# Altium PCB PCB-G-1.PcbDoc (part 2 of 2)
Units mil, origin at the board's own origin, x right, y up, seen from the top; angles counter-clockwise.
Board outline 4730 x 2580 mil, 2 copper layers (Top Layer, Bottom Layer); 90 components, 105 nets, 400 pads, 153 vias.
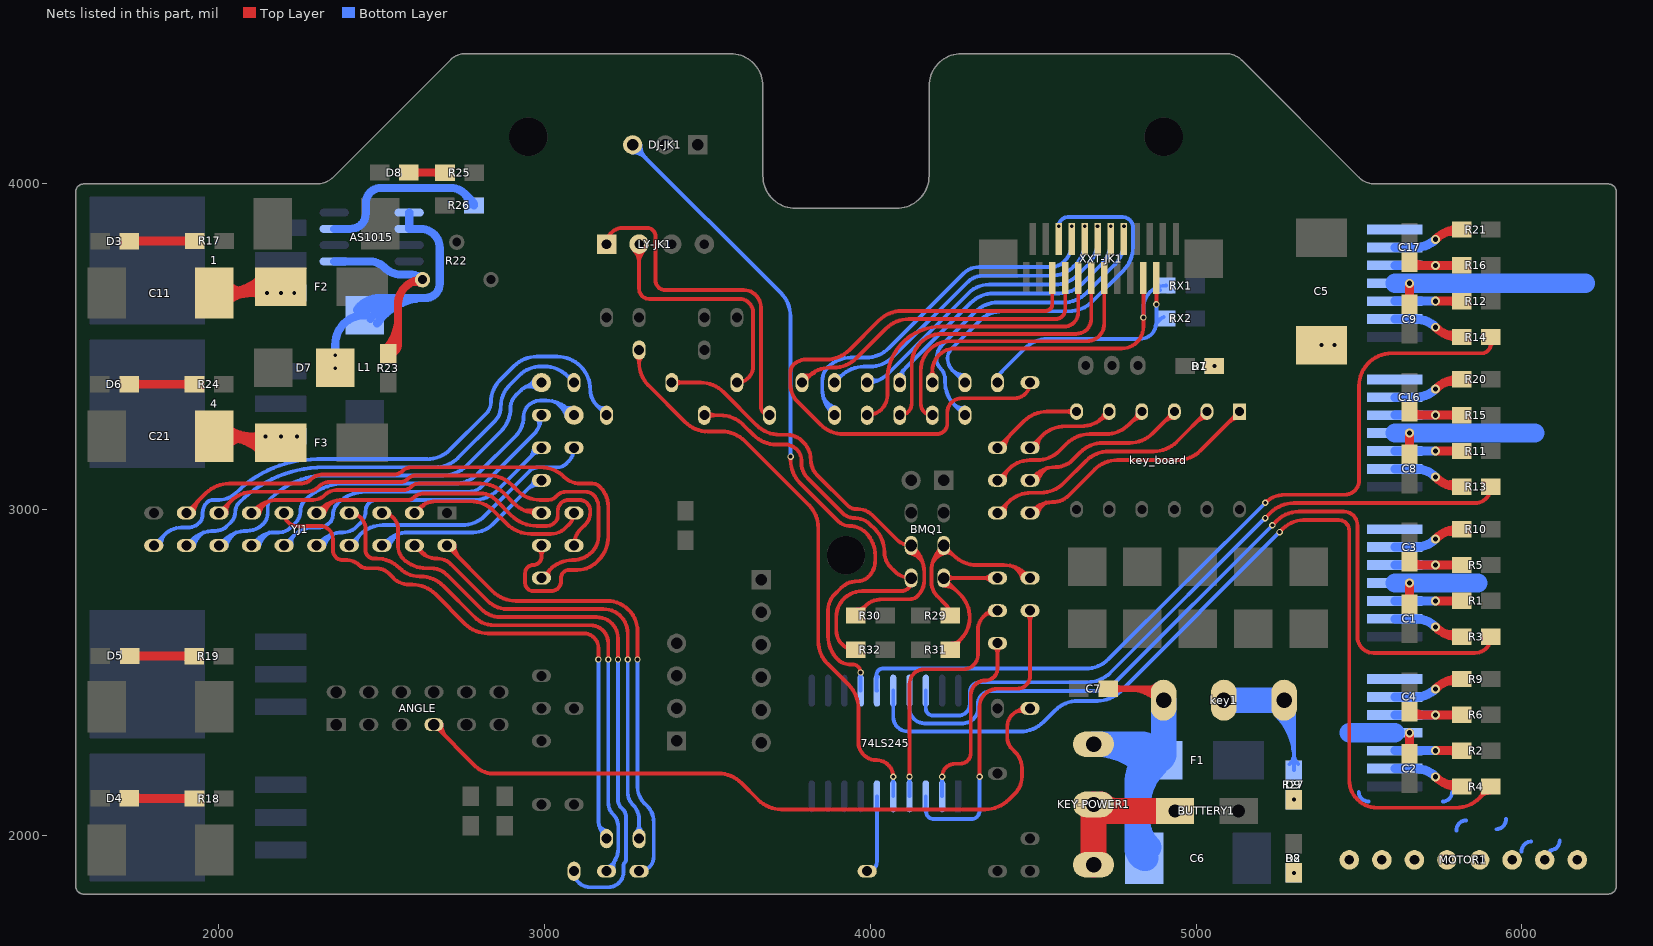
[diagram p2: the nets of this part, all layers, seen from the top]

## Via types
v1: diameter 19.68, hole 11.81, Top Layer to Bottom Layer, tented both sides, 128 vias
v2: diameter 27.56, hole 15.75, Top Layer to Bottom Layer, tented both sides, 20 vias
v3: diameter 50, hole 28, Top Layer to Bottom Layer, tented both sides, 3 vias
v4: diameter 27.56, hole 19.68, Top Layer to Bottom Layer, tented both sides, 1 vias
v5: diameter 39.37, hole 23.62, Top Layer to Bottom Layer, tented both sides, 1 vias

## Nets (pads, with @x,y where several pads share a name; then routed paths per layer and width w, separated by ;. In a path a pad name is that pad's centre, name@x,y a point inside that pad or via, vN(x,y) a via of type N, cw(c..) or ccw(c..) an arc to the next point about the centre after c; other vN are vias at no path point) (continued)
Net1_3: 1.3 C11.1 F2.1 | length 657.9
  Top Layer w25: C11.1@1985,3665 2141.72,3665 ccw(c2141.72,3733.28) F2.1@2190,3685 ; C11.1@2009.64,3665 ccw(c2009.64,3845.68) F2.1@2137.4,3717.92 ; C11.1@2017.92,3632.08 cw(c2097.39,3552.61) 2097.39,3665 cw(c2097.39,3777.39) C11.1@2017.92,3697.92 ; 2069.99,3665 ccw(c2069.99,3785.32) F2.1@2155.07,3700.24 ; 2106.21,3665 cw(c2106.21,3620.89) F2.1@2137.4,3652.08
  other v1: 2148,3665 2190,3665 2231,3665
Net4_3: 4.3 C21.1 F3.1 | length 682.7
  Top Layer w25: C21.1@1985,3225 2141.72,3225 cw(c2141.72,3156.72) F3.1@2190,3205 ; C21.1@2009.64,3225 cw(c2009.64,3044.32) F3.1@2137.4,3172.08 ; C21.1@2017.92,3192.08 cw(c2097.39,3112.61) 2097.39,3225 cw(c2097.39,3337.39) C21.1@2017.92,3257.92 ; 2069.99,3225 cw(c2069.99,3104.68) F3.1@2155.07,3189.76 ; 2106.21,3225 ccw(c2106.21,3269.11) F3.1@2137.4,3237.92 ; F3.1@2120.64,3230.02 cw(c2129.66,3204.05) F3.1@2144.43,3227.24
  other v1: 2143,3225 2190,3225 2240,3225
Net5_1: AS1015.1 R22.1 R23.2 | length 818.1
  Top Layer w25: R23.2@2511.16,3492.84 ccw(c2417.4,3586.6) 2550,3586.6 ; R23.2@2520,3479 ccw(c2520,3509) 2550,3509 2550,3631 cw(c2625,3631) R22.1@2625,3706 ; R23.2@2528.84,3475.16 ccw(c2477.75,3526.25) 2550,3526.25 ; R22.1@2615.37,3711.56 cw(c2592.11,3724.99) 2599.06,3699.05 cw(c2606.01,3673.11) R22.1@2619.44,3696.37
  Bottom Layer w25: AS1015.1@2354,3762 2463.54,3762 cw(c2463.54,3700.54) 2507,3744 ccw(c2560.11,3797.11) 2560.11,3722 2586.37,3722 cw(c2586.37,3667.37) R22.1@2625,3706 ; R22.1@2614.26,3703.12 ccw(c2588.32,3696.17) 2601.75,3719.43 ccw(c2615.17,3742.68) R22.1@2622.12,3716.74
Net5_3: AS1015.3 R26.1 | length 575.3
  Bottom Layer w25: AS1015.3@2354,3862 2404,3862 ccw(c2404,3909) 2451,3909 2451,3941 cw(c2498,3941) 2498,3988 2710.54,3988 cw(c2710.54,3926.54) 2754,3970 ; R26.1@2765.61,3935.66 ccw(c2725.1,3941.1) 2754,3970 ; R26.1@2783,3934 ccw(c2766.1,3934) 2778.06,3945.94 2754,3970
Net5_5: AS1015.5 AS1015.6 D7.2 L1.1 | length 1301.8
  Bottom Layer w25: v1(2357,3434) 2357,3507 cw(c2447,3507) L1.1@2447,3597 cw(c2500,3597) 2500,3650 2634,3650 ; L1.1@2423.4,3612.88 cw(c2493.12,3565.96) L1.1@2493.12,3650 ; L1.1@2444.14,3598.92 cw(c2540.08,3534.36) 2540.08,3650 ; L1.1@2464.88,3584.97 cw(c2587.03,3502.77) 2587.03,3650 ; L1.1@2485.62,3571.01 cw(c2633.99,3471.17) 2633.99,3650 ; AS1015.5@2584,3912 AS1015.6@2584,3862 2619,3862 cw(c2619,3803) 2678,3803 2678,3694 cw(c2634,3694) 2634,3650
  other v1: 2357,3474
NetBUTTERY1_2: BUTTERY1.2 KEY-POWER1.1 KEY-POWER1.2 | length 500
  Top Layer w78.74: KEY-POWER1.1@4685,1910 KEY-POWER1.2@4685,2095 ccw(c4705,2095) 4705,2075 BUTTERY1.2@4935,2075 ; KEY-POWER1.2@4708.62,2095 ccw(c4756.91,2143.28) 4756.91,2075
NetC3_2: C3.2 pad.5@5610,2830 R5.1 | length 364.9
  Top Layer w27.56: C3.2@5655,2840 ccw(c5679.14,2864.14) 5679.14,2830 R5.1@5815,2830 ; C3.2@5662.93,2842.93 ccw(c5694.16,2874.16) 5694.16,2830 ; R5.1@5802.07,2822.07 ccw(c5782.91,2802.91) 5782.91,2830 ccw(c5782.91,2857.09) R5.1@5802.07,2837.93
  Bottom Layer w27.56: pad.5@5610,2830 v2(5735,2830)
NetC4_2: C4.2 pad.5@5610,2370 R6.1 | length 364.9
  Top Layer w27.56: C4.2@5655,2380 ccw(c5679.14,2404.14) 5679.14,2370 R6.1@5815,2370 ; C4.2@5662.93,2382.93 ccw(c5694.16,2414.16) 5694.16,2370 ; R6.1@5802.07,2362.07 ccw(c5782.91,2342.91) 5782.91,2370 ccw(c5782.91,2397.09) R6.1@5802.07,2377.93
  Bottom Layer w27.56: pad.5@5610,2370 v2(5735,2370)
NetC16_2: C16.2 pad.5@5610,3290 R15.1 | length 364.9
  Top Layer w27.56: C16.2@5655,3300 ccw(c5679.14,3324.14) 5679.14,3290 R15.1@5815,3290 ; C16.2@5662.93,3302.93 ccw(c5694.16,3334.16) 5694.16,3290 ; R15.1@5802.07,3282.07 ccw(c5782.91,3262.91) 5782.91,3290 ccw(c5782.91,3317.09) R15.1@5802.07,3297.93
  Bottom Layer w27.56: pad.5@5610,3290 v2(5735,3290)
NetC17_2: C17.2 pad.5@5610,3750 R16.1 | length 364.9
  Top Layer w27.56: C17.2@5655,3760 ccw(c5679.14,3784.14) 5679.14,3750 R16.1@5815,3750 ; C17.2@5662.93,3762.93 ccw(c5694.16,3794.16) 5694.16,3750 ; R16.1@5802.07,3742.07 ccw(c5782.91,3722.91) 5782.91,3750 ccw(c5782.91,3777.09) R16.1@5802.07,3757.93
  Bottom Layer w27.56: pad.5@5610,3750 v2(5735,3750)
NetD1_1: D1.1 R7.1
  other v1: 5056,3441
NetD2_1: D2.1 R8.1
  other v1: 5300,1885
NetD3_1: D3.1 R17.1 | length 268.1
  Top Layer w27.56: D3.1@1725,3824 cw(c1726,3824) 1726,3825 R17.1@1926,3825 ; D3.1@1737.93,3816.07 cw(c1759.5,3794.5) 1759.5,3825 ; R17.1@1913.07,3817.07 ccw(c1893.91,3797.91) 1893.91,3825 ccw(c1893.91,3852.09) R17.1@1913.07,3832.93
NetD4_1: D4.1 R18.1 | length 266.5
  Top Layer w27.56: D4.1@1725,2114 R18.1@1925,2114 ; D4.1@1737.93,2106.07 cw(c1757.09,2086.91) 1757.09,2114 cw(c1757.09,2141.09) D4.1@1737.93,2121.93 ; 1890.5,2114 cw(c1890.5,2083.5) R18.1@1912.07,2105.07
NetD5_1: D5.1 R19.1 | length 264.5
  Top Layer w27.56: D5.1@1726,2551 R19.1@1924,2551 ; D5.1@1738.93,2543.07 cw(c1758.09,2523.91) 1758.09,2551 cw(c1758.09,2578.09) D5.1@1738.93,2558.93 ; 1889.5,2551 cw(c1889.5,2520.5) R19.1@1911.07,2542.07
NetD6_1: D6.1 R24.1 | length 286.1
  Top Layer w27.56: D6.1@1724,3385 R24.1@1925,3385 ; D6.1@1736.93,3377.07 cw(c1756.09,3357.91) 1756.09,3385 cw(c1756.09,3412.09) D6.1@1736.93,3392.93 ; R24.1@1912.07,3377.07 ccw(c1892.91,3357.91) 1892.91,3385 ccw(c1892.91,3412.09) R24.1@1912.07,3392.93
NetD8_1: D8.1 R25.1 | length 206.1
  Top Layer w25: D8.1@2583,4035 2691.59,4035 cw(c2691.59,4031.59) R25.1@2694,4034 ; D8.1@2596.84,4026.16 cw(c2618.18,4004.82) 2618.18,4035 cw(c2618.18,4065.18) D8.1@2596.84,4043.84 ; 2656.41,4035 cw(c2656.41,4001.41) R25.1@2680.16,4025.16 ; 2661.24,4035 ccw(c2661.24,4061.76) R25.1@2680.16,4042.84
NetD9_1: D9.1 R27.2
  other v1: 5300,2110
NetR1_2: pad.3@5610,2720 R1.2 | length 247.6
  Top Layer w27.56: v2(5735,2720) R1.2@5815,2720 ; R1.2@5802.07,2712.07 ccw(c5782.91,2692.91) 5782.91,2720 ccw(c5782.91,2747.09) R1.2@5802.07,2727.93
  Bottom Layer w27.56: pad.3@5610,2720 v2(5735,2720)
NetR2_2: pad.3@5610,2260 R2.2 | length 247.6
  Top Layer w27.56: v2(5735,2260) R2.2@5815,2260 ; R2.2@5802.07,2252.07 ccw(c5782.91,2232.91) 5782.91,2260 ccw(c5782.91,2287.09) R2.2@5802.07,2267.93
  Bottom Layer w27.56: pad.3@5610,2260 v2(5735,2260)
NetR3_2: pad.2@5610,2665 R3.2 | length 243.6
  Top Layer w27.56: v2(5735,2640) 5735.71,2639.29 ccw(c5806.42,2710) 5806.42,2610 R3.2@5815,2610 ; 5781.43,2616.7 ccw(c5789.26,2645.92) R3.2@5804.39,2619.72
  Bottom Layer w27.56: pad.2@5610,2665 5674.64,2665 cw(c5674.64,2579.64) v2(5735,2640)
NetR4_2: pad.2@5610,2205 R4.2 | length 243.6
  Top Layer w27.56: v2(5735,2180) 5735.71,2179.29 ccw(c5806.42,2250) 5806.42,2150 R4.2@5815,2150 ; 5781.43,2156.7 ccw(c5789.26,2185.92) R4.2@5804.39,2159.72
  Bottom Layer w27.56: pad.2@5610,2205 5674.64,2205 cw(c5674.64,2119.64) v2(5735,2180)
NetR9_1: pad.6@5610,2425 R9.1 | length 249.6
  Top Layer w27.56: v2(5735,2450) 5735.71,2450.71 cw(c5806.42,2380) R9.1@5806.42,2480 ; 5781.43,2473.31 cw(c5789.26,2444.08) R9.1@5804.39,2470.28 ; R9.1@5800.35,2480 R9.1@5806.42,2480 ; R9.1@5815,2480 R9.1@5806.42,2480
  Bottom Layer w27.56: pad.6@5610,2425 5674.64,2425 ccw(c5674.64,2510.36) v2(5735,2450)
NetR10_1: pad.6@5610,2885 R10.1 | length 243.6
  Top Layer w27.56: v2(5735,2910) 5735.71,2910.71 cw(c5806.42,2840) 5806.42,2940 R10.1@5815,2940 ; 5781.43,2933.3 cw(c5789.26,2904.08) R10.1@5804.39,2930.28
  Bottom Layer w27.56: pad.6@5610,2885 5674.64,2885 ccw(c5674.64,2970.36) v2(5735,2910)
NetR11_2: pad.3@5610,3180 R11.2 | length 247.6
  Top Layer w27.56: v2(5735,3180) R11.2@5815,3180 ; R11.2@5802.07,3172.07 ccw(c5782.91,3152.91) 5782.91,3180 ccw(c5782.91,3207.09) R11.2@5802.07,3187.93
  Bottom Layer w27.56: pad.3@5610,3180 v2(5735,3180)
NetR12_2: pad.3@5610,3640 R12.2 | length 247.6
  Top Layer w27.56: v2(5735,3640) R12.2@5815,3640 ; R12.2@5802.07,3632.07 ccw(c5782.91,3612.91) 5782.91,3640 ccw(c5782.91,3667.09) R12.2@5802.07,3647.93
  Bottom Layer w27.56: pad.3@5610,3640 v2(5735,3640)
NetR13_2: pad.2@5610,3125 R13.2 | length 243.6
  Top Layer w27.56: v2(5735,3100) 5735.71,3099.29 ccw(c5806.42,3170) 5806.42,3070 R13.2@5815,3070 ; 5781.43,3076.7 ccw(c5789.26,3105.92) R13.2@5804.39,3079.72
  Bottom Layer w27.56: pad.2@5610,3125 5674.64,3125 cw(c5674.64,3039.64) v2(5735,3100)
NetR14_2: pad.2@5610,3585 R14.2 | length 243.6
  Top Layer w27.56: v2(5735,3560) 5735.71,3559.29 ccw(c5806.42,3630) 5806.42,3530 R14.2@5815,3530 ; 5781.43,3536.7 ccw(c5789.26,3565.92) R14.2@5804.39,3539.72
  Bottom Layer w27.56: pad.2@5610,3585 5674.64,3585 cw(c5674.64,3499.64) v2(5735,3560)
NetR20_1: pad.6@5610,3345 R20.1 | length 243.6
  Top Layer w27.56: v2(5735,3370) 5735.71,3370.71 cw(c5806.42,3300) 5806.42,3400 R20.1@5815,3400 ; 5781.43,3393.3 cw(c5789.26,3364.08) R20.1@5804.39,3390.28
  Bottom Layer w27.56: pad.6@5610,3345 5674.64,3345 ccw(c5674.64,3430.36) v2(5735,3370)
NetR21_1: pad.6@5610,3805 R21.1 | length 243.6
  Top Layer w27.56: v2(5735,3830) 5735.71,3830.71 cw(c5806.42,3760) 5806.42,3860 R21.1@5815,3860 ; 5781.43,3853.3 cw(c5789.26,3824.08) R21.1@5804.39,3850.28
  Bottom Layer w27.56: pad.6@5610,3805 5674.64,3805 ccw(c5674.64,3890.36) v2(5735,3830)
OUT1: C8.1 MOTOR1.3 MOTOR1.4 pad.4@5610,3235 | length 631.9
  Top Layer w27.56: C8.1@5647.07,3182.93 ccw(c5627.91,3202.09) 5655,3202.09 ccw(c5682.09,3202.09) C8.1@5662.93,3182.93 ; C8.1@5655,3170 v2(5655,3235)
  Bottom Layer w11.81: 5922,2019 ccw(c5921,2049) 5951,2050 ; 5999,1950 cw(c6029,1951) 6028,1981
  Bottom Layer w59.06: pad.4@5610,3235 6040,3235
OUT2: C1.1 MOTOR1.5 MOTOR1.6 pad.4@5610,2775 | length 456.9
  Top Layer w27.56: C1.1@5647.07,2722.93 ccw(c5627.91,2742.09) 5655,2742.09 ccw(c5682.09,2742.09) C1.1@5662.93,2722.93 ; C1.1@5655,2710 v2(5655,2775)
  Bottom Layer w11.81: 5757,2104 ccw(c5756,2134) 5786,2135 ; 5799,2015 cw(c5829,2016) 5828,2046
  Bottom Layer w59.06: pad.4@5610,2775 5865,2775
OUT3: C2.1 MOTOR1.7 MOTOR1.8 pad.4@5610,2315 | length 294.7
  Top Layer w27.56: C2.1@5647.07,2262.93 ccw(c5627.91,2282.09) 5655,2282.09 ccw(c5682.09,2282.09) C2.1@5662.93,2262.93 ; C2.1@5655,2250 v2(5655,2315)
  Bottom Layer w11.81: 5499,2133 ccw(c5529,2134) 5530,2104
  Bottom Layer w59.06: 5470,2315 pad.4@5610,2315
OUT4: C9.1 MOTOR1.1 MOTOR1.2 pad.4@5610,3695 | length 785.2
  Top Layer w27.56: C9.1@5647.07,3642.93 ccw(c5627.91,3662.09) 5655,3662.09 ccw(c5682.09,3662.09) C9.1@5662.93,3642.93 ; C9.1@5655,3630 v2(5655,3695)
  Bottom Layer w11.81: MOTOR1.2@6070.47,1924.93 cw(c6110.37,1918.93) 6098.64,1957.54 ; 6087,1954 ccw(c6086,1984) 6116,1985
  Bottom Layer w59.06: pad.4@5610,3695 6195,3695
P1: 74LS245.18 R13.1 | length 2132.4
  Top Layer w11.81: v1(5212,2974) 5228.71,2990.71 cw(c5299.42,2920) 5299.42,3020 5855,3020 ccw(c5855,3070) R13.1@5905,3070
  Bottom Layer w11.81: 74LS245.18@4170,2444.33 4170,2390 ccw(c4192,2390) 4192,2368 4270,2368 ccw(c4270,2403) 4305,2403 4305,2439 cw(c4336,2439) 4336,2470 4665.58,2470 ccw(c4665.58,2570) 4736.29,2499.29 v1@5211.5,2974.5 ; 5203.57,2966.57 cw(c5212,2958.14) v1@5212,2970.06
P2: 74LS245.17 R3.1 | length 2570.6
  Top Layer w11.81: v1(5234,2952) 5248.42,2966.42 cw(c5315,2899.85) 5315,2994 5453,2994 cw(c5453,2952) 5495,2952 5495,2610 ccw(c5545,2610) 5545,2560 5855,2560 ccw(c5855,2610) R3.1@5905,2610
  Bottom Layer w11.81: 74LS245.17@4120,2444.33 4120,2390 ccw(c4166,2390) 4166,2344 4284,2344 ccw(c4284,2390) 4330,2390 4330,2403 cw(c4370,2403) 4370,2443 4683.58,2443 ccw(c4683.58,2543) 4754.29,2472.29 v1(5234,2952)
P3: 74LS245.16 R4.1 | length 3111.9
  Top Layer w11.81: v1(5256,2931) 5266.84,2941.84 cw(c5330,2878.67) 5330,2968 5437.75,2968 cw(c5437.75,2935.75) 5470,2935.75 5470,2170 ccw(c5555,2170) 5555,2085 5798.58,2085 ccw(c5798.58,2185) 5869.29,2114.29 ; 5875.94,2120.94 cw(c5900,2096.88) R4.1@5900,2130.91 ; R4.1@5881.03,2147.85 cw(c5840.33,2143.25) 5869.29,2114.29 ; R4.1@5905,2150 5869.29,2114.29
  Bottom Layer w11.81: 74LS245.16@4070,2444.33 4070,2364 ccw(c4115,2364) 4115,2319 4460.58,2319 ccw(c4460.58,2419) 4531.29,2348.29 4566.71,2383.71 cw(c4637.42,2313) 4637.42,2413 4696.58,2413 ccw(c4696.58,2513) 4767.29,2442.29 v1(5256,2931)
P4: 74LS245.15 R14.1 | length 2577
  Top Layer w11.81: v1(5212,3021) cw(c5272.36,2960.64) 5272.36,3046 5456,3046 ccw(c5456,3090) 5500,3090 5500,3380 cw(c5600,3380) 5600,3480 5875,3480 ccw(c5875,3510) R14.1@5905,3510
  Top Layer w19.68: R14.1@5905,3510 R14.1@5905,3530
  Bottom Layer w11.81: 74LS245.15@4020,2444.33 cw(c4020,2445.33) 4019,2445.33 4019,2494 ; 74LS245.15@4022.47,2486.77 cw(c4028.27,2494) 4019,2494 ; v1(5212,3021) 4731.29,2541.29 cw(c4660.58,2612) 4660.58,2512 4037,2512 ccw(c4037,2494) 4019,2494
P5_DJ: 74LS245.14 DJ-JK1.3 | length 2228.1
  Top Layer w11.81: v1(3755,3163) 3755,3152.42 ccw(c3855,3152.42) 3784.29,3081.71 3902.07,2963.93 ccw(c3935.71,2997.59) 3935.71,2950 cw(c3935.71,2879.29) 3985.71,2929.29 cw(c3915,2858.58) 4015,2858.58 4015,2844.5 cw(c3943.79,2844.5) 3994.14,2794.14 cw(c3960,2828.28) 3960,2780 ccw(c3960,2707.57) 3908.79,2758.79 3890,2740 ccw(c3938.28,2691.72) 3870,2691.72 3870,2611.42 ccw(c3970,2611.42) 3899.29,2540.71 3900,2540 ccw(c3936.21,2576.21) 3936.21,2525 3945,2525 cw(c3945,2500) v1(3970,2500)
  Bottom Layer w11.81: DJ-JK1.3@3270,4096.38 cw(c3270,4039.35) 3310.33,4079.67 cw(c3350.65,4120) DJ-JK1.3@3293.62,4120 ; DJ-JK1.3@3270,4120 3725.12,3664.88 cw(c3654.41,3594.17) 3754.41,3594.17 3754.41,3164.43 ccw(c3756.43,3164.43) v1(3755,3163) ; 3754.41,3173.93 ccw(c3765.93,3173.93) v1@3757.78,3165.78 ; 74LS245.14@3970,2444.33 v1(3970,2500)
PTA8: BMQ1.5 pad.71 R29.2 | length 722.7
  Top Layer w11.81: 4191.74,2838.59 cw(c4244.27,2808.26) BMQ1.5@4228.57,2866.85 ; 4205.99,2863.28 cw(c4233.83,2847.21) BMQ1.5@4225.51,2878.26 ; BMQ1.5@4228.39,2866.8 cw(c4235.45,2839.03) 4255.71,2859.29 ; R29.2@4245,2675 ccw(c4196.72,2675) 4230.86,2709.14 4205,2735 cw(c4247.88,2777.88) 4187.24,2777.88 4187.24,2810.82 cw(c4287.24,2810.82) 4216.53,2881.53 BMQ1.5@4225,2890 4255.71,2859.29 ; 4437.9,2825.37 cw(c4405.57,2771.11) pad.71@4466.8,2786.62 ; 4462.4,2810.78 cw(c4444.66,2781.01) pad.71@4478.25,2789.52 ; pad.71@4490,2790 4479.29,2800.71 ccw(c4408.58,2730) 4408.58,2830 4326.42,2830 cw(c4326.42,2930) 4255.71,2859.29
PTA9: BMQ1.7 pad.72 R31.2 | length 664.8
  Top Layer w11.81: BMQ1.7@4225,2766.38 cw(c4225,2709.35) 4265.33,2749.67 ; BMQ1.7@4225,2778.19 cw(c4225,2749.67) 4245.16,2769.84 ; BMQ1.7@4234.74,2780.26 cw(c4258.27,2756.73) 4258.27,2790 cw(c4258.27,2823.27) BMQ1.7@4234.74,2799.74 ; R31.2@4245,2570 4277.72,2602.72 ; R31.2@4250,2589.09 ccw(c4250,2623.12) 4274.06,2599.06 ; R31.2@4268.76,2573.58 cw(c4300.75,2579.69) 4277.72,2602.72 ; pad.72@4370.41,2780.26 ccw(c4346.89,2756.73) 4346.89,2790 ccw(c4346.89,2823.27) pad.72@4370.41,2799.74 ; pad.72@4390,2790 BMQ1.7@4225,2790 4275.71,2739.29 cw(c4205,2668.58) 4305,2668.58 cw(c4211.86,2668.58) 4277.72,2602.72
PTA12: key_board.1 pad.75 | length 879.1
  Top Layer w11.81: pad.75@4490,2990 4498.25,2998.25 cw(c4558,2938.5) 4558,3023 ccw(c4558,3095.43) 4609.21,3044.21 4687.71,3122.71 cw(c4758.42,3052) 4758.42,3152 4942.58,3152 ccw(c4942.58,3252) 5013.29,3181.29 key_board.1@5133,3301 ; pad.75@4501.75,2989.53 cw(c4531.24,2982.22) 4516.05,3008.53 ; pad.75@4513.22,2986.69 cw(c4568.66,2972.95) 4540.1,3022.41 ; 5099.4,3267.4 cw(c5133,3233.79) key_board.1@5133,3281.32 ; key_board.1@5113.65,3281.65 ccw(c5100.21,3295.09) key_board.1@5119.22,3295.09
PTA13: key_board.2 pad.76 | length 839.7
  Top Layer w11.81: pad.76@4390,2990 4422.71,3022.71 ; pad.76@4413.38,2992.55 cw(c4446.63,2998.79) 4422.71,3022.71 ; 4999.4,3267.4 cw(c5033,3233.79) key_board.2@5033,3281.32 ; 5013.65,3281.65 ccw(c5000.21,3295.09) key_board.2@5019.22,3295.09 ; key_board.2@5033,3301 4940.29,3208.29 cw(c4869.58,3279) 4869.58,3179 4732.42,3179 ccw(c4732.42,3079) 4661.71,3149.71 4593.29,3081.29 cw(c4522.58,3152) 4522.58,3052 4493.42,3052 ccw(c4493.42,2952) 4422.71,3022.71
PTA14: key_board.3 pad.77 | length 649.7
  Top Layer w11.81: pad.77@4490,3090 4504.13,3104.13 cw(c4569,3039.26) 4569,3131 ccw(c4569,3203.43) 4620.21,3152.21 4643.71,3175.71 cw(c4714.42,3105) 4714.42,3205 4795.58,3205 ccw(c4795.58,3305) 4866.29,3234.29 key_board.3@4933,3301 ; pad.77@4501.75,3089.53 cw(c4539.06,3080.39) 4519.15,3113.24 ; pad.77@4513.23,3086.72 cw(c4578.23,3070.79) 4543.53,3128.02 ; 4899.4,3267.4 cw(c4933,3233.79) key_board.3@4933,3281.32 ; 4913.65,3281.65 ccw(c4900.21,3295.09) key_board.3@4919.22,3295.09
PTA15: key_board.4 pad.78 | length 602.5
  Top Layer w11.81: pad.78@4390,3090 4425.13,3125.13 ; pad.78@4413.53,3091.63 cw(c4453.83,3096.43) 4425.13,3125.13 ; 4799.4,3267.4 cw(c4833,3233.79) key_board.4@4833,3281.32 ; 4813.65,3281.65 ccw(c4800.21,3295.09) key_board.4@4819.22,3295.09 ; key_board.4@4833,3301 4793.29,3261.29 cw(c4722.58,3332) 4722.58,3232 4673.42,3232 ccw(c4673.42,3132) 4602.71,3202.71 4581.29,3181.29 cw(c4510.58,3252) 4510.58,3152 4490,3152 ccw(c4490,3060.26) 4425.13,3125.13
PTA16: key_board.5 pad.79 | length 392.1
  Top Layer w11.81: pad.79@4490,3190 4526.71,3226.71 ; pad.79@4501.8,3190.16 cw(c4525.2,3192.01) 4508.61,3208.61 ; pad.79@4513.58,3191.09 cw(c4558.75,3194.67) 4526.71,3226.71 ; 4704.14,3276.69 cw(c4723.1,3247.71) key_board.5@4730.18,3281.61 ; 4705.75,3277.74 ccw(c4688.28,3304.44) key_board.5@4719.51,3297.91 ; key_board.5@4733,3301 4717.29,3285.29 cw(c4646.58,3356) 4646.58,3256 4597.42,3256 ccw(c4597.42,3156) 4526.71,3226.71
PTA17: key_board.6 pad.80 | length 404.1
  Top Layer w11.81: pad.80@4390,3190 4471.71,3271.71 cw(c4542.42,3201) 4542.42,3301 key_board.6@4633,3301 ; pad.80@4401.81,3190 cw(c4430.33,3190) 4410.16,3210.16 ; pad.80@4413.62,3190 cw(c4470.65,3190) 4430.33,3230.33 ; key_board.6@4623.26,3291.26 ccw(c4599.73,3267.73) 4599.73,3301 ccw(c4599.73,3334.27) key_board.6@4623.26,3310.74
PTA25: pad.81 XXT-JK1.5 | length 1906.1
  Top Layer w11.81: pad.81@4484.52,3387.73 cw(c4490,3382.25) pad.81@4490,3390 cw(c4442,3390) 4442,3342 4280,3342 ccw(c4280,3298) 4236,3298 4236,3264 cw(c4204,3264) 4204,3232 3917.42,3232 cw(c3917.42,3332) 3846.71,3261.29 3776.42,3331.58 cw(c3830.55,3385.71) 3754,3385.71 3754,3420.86 cw(c3788.14,3420.86) 3764,3445 cw(c3802.63,3406.37) 3802.63,3461 3864.58,3461 ccw(c3864.58,3561) 3935.29,3490.29 4025.71,3580.71 cw(c4096.42,3510) 4096.42,3610 4537.59,3610 ccw(c4537.59,3630.41) 4558,3630.41 XXT-JK1.5@4558,3690
PTA26: pad.85 XXT-JK1.6 | length 1268.1
  Top Layer w11.81: XXT-JK1.6@4578,3810 v1(4578,3870)
  Bottom Layer w11.81: 4271.08,3408.92 ccw(c4288.37,3426.22) pad.85@4289.88,3401.81 ; pad.85@4289.15,3413.6 cw(c4286.21,3461.11) 4252.55,3427.45 ; pad.85@4290,3390 4252.55,3427.45 ; v1(4578,3870) cw(c4606,3870) 4606,3898 4774,3898 cw(c4774,3866) 4806,3866 4806,3805.42 cw(c4706,3805.42) 4776.71,3734.71 4680.29,3638.29 cw(c4609.58,3709) 4609.58,3609 4405.42,3609 ccw(c4405.42,3509) 4334.71,3579.71 4249.02,3494.02 ccw(c4278.04,3465) 4237,3465 ccw(c4290.11,3465) 4252.55,3427.45
PTA27: pad.83 RX2.2 XXT-JK1.21 | length 747.6
  Top Layer w11.81: v1(4878,3630) XXT-JK1.21@4878,3690
  Bottom Layer w11.81: pad.83@4380.29,3399.71 pad.83@4390,3390 cw(c4440.7,3390) 4404.85,3425.85 4473.71,3494.71 cw(c4544.42,3424) 4544.42,3524 4827,3524 ccw(c4827,3575) 4878,3575 v1(4878,3630) ; 4874.49,3561.92 cw(c4916.9,3550.55) RX2.2@4900.29,3591.19
PTA28: pad.86 XXT-JK1.16 | length 1028.2
  Bottom Layer w11.81: pad.86@4287.04,3313.3 cw(c4280.35,3343.76) 4258.29,3321.71 ; pad.86@4290,3290 4258.29,3321.71 ; v1(4778,3870) 4778,3821.42 cw(c4678,3821.42) 4748.71,3750.71 4663.29,3665.29 cw(c4592.58,3736) 4592.58,3636 4391.42,3636 ccw(c4391.42,3536) 4320.71,3606.71 4221.38,3507.38 ccw(c4265.77,3463) 4203,3463 ccw(c4244.04,3463) 4215.02,3433.98 4215.66,3433.34 cw(c4183.44,3401.13) 4229,3401.13 4229,3392.42 ccw(c4329,3392.42) 4258.29,3321.71
PTA29: pad.87 RX1.2 XXT-JK1.19 | length 1099.3
  Top Layer w11.81: pad.87@4182.57,3411.45 ccw(c4173.9,3425.02) 4190,3425.02 ; pad.87@4190,3390 4190,3425.02 ; pad.87@4197.43,3411.45 cw(c4206.1,3425.02) 4190,3425.02 ; XXT-JK1.19@4838,3690 4838,3561.5 cw(c4771.5,3561.5) 4771.5,3495 4259.98,3495 ccw(c4259.98,3425.02) 4190,3425.02
  Bottom Layer w11.81: v1(4838,3590) 4838,3619 cw(c4907,3619) RX1.2@4907,3688 ; RX1.2@4883.31,3691.9 cw(c4865.67,3695.57) 4870.34,3678.18 cw(c4875.68,3658.25) RX1.2@4889.35,3673.7
PTB0: pad.89 XXT-JK1.14 | length 938
  Bottom Layer w11.81: pad.89@4086.29,3413.11 ccw(c4081.03,3431.9) 4099.87,3426.85 ; pad.89@4090,3390 cw(c4155.18,3390) 4109.09,3436.09 4307.71,3634.71 cw(c4378.42,3564) 4378.42,3664 4578.58,3664 ccw(c4578.58,3764) 4649.29,3693.29 4708.71,3752.71 ccw(c4638,3823.42) 4738,3823.42 v1(4738,3870) ; 4099.48,3425.38 ccw(c4123.21,3419.02) pad.89@4101.93,3406.73
PTB1: pad.88 XXT-JK1.13 | length 937.3
  Top Layer w11.81: pad.88@4179.29,3300.71 pad.88@4190,3290 cw(c4190,3325.59) 4154.41,3325.59 4154.41,3427.41 cw(c4244,3427.41) 4244,3517 4663.77,3517 ccw(c4663.77,3571.23) 4718,3571.23 XXT-JK1.13@4718,3690
PTB2: pad.91 XXT-JK1.12 | length 959.7
  Bottom Layer w11.81: pad.91@3990,3390 ccw(c3990,3476.91) 4051.46,3415.46 4300.13,3664.13 cw(c4365,3599.26) 4365,3691 4565.58,3691 ccw(c4565.58,3791) 4636.29,3720.29 4667.71,3751.71 ccw(c4597,3822.42) 4697,3822.42 v1(4697,3870) ; pad.91@4002.84,3404.84 ccw(c4014.35,3409.31) 4017.55,3397.38